# Altium PCB OSP_Carrier_V7_Release.PcbDoc (part 2 of 3) (continued)
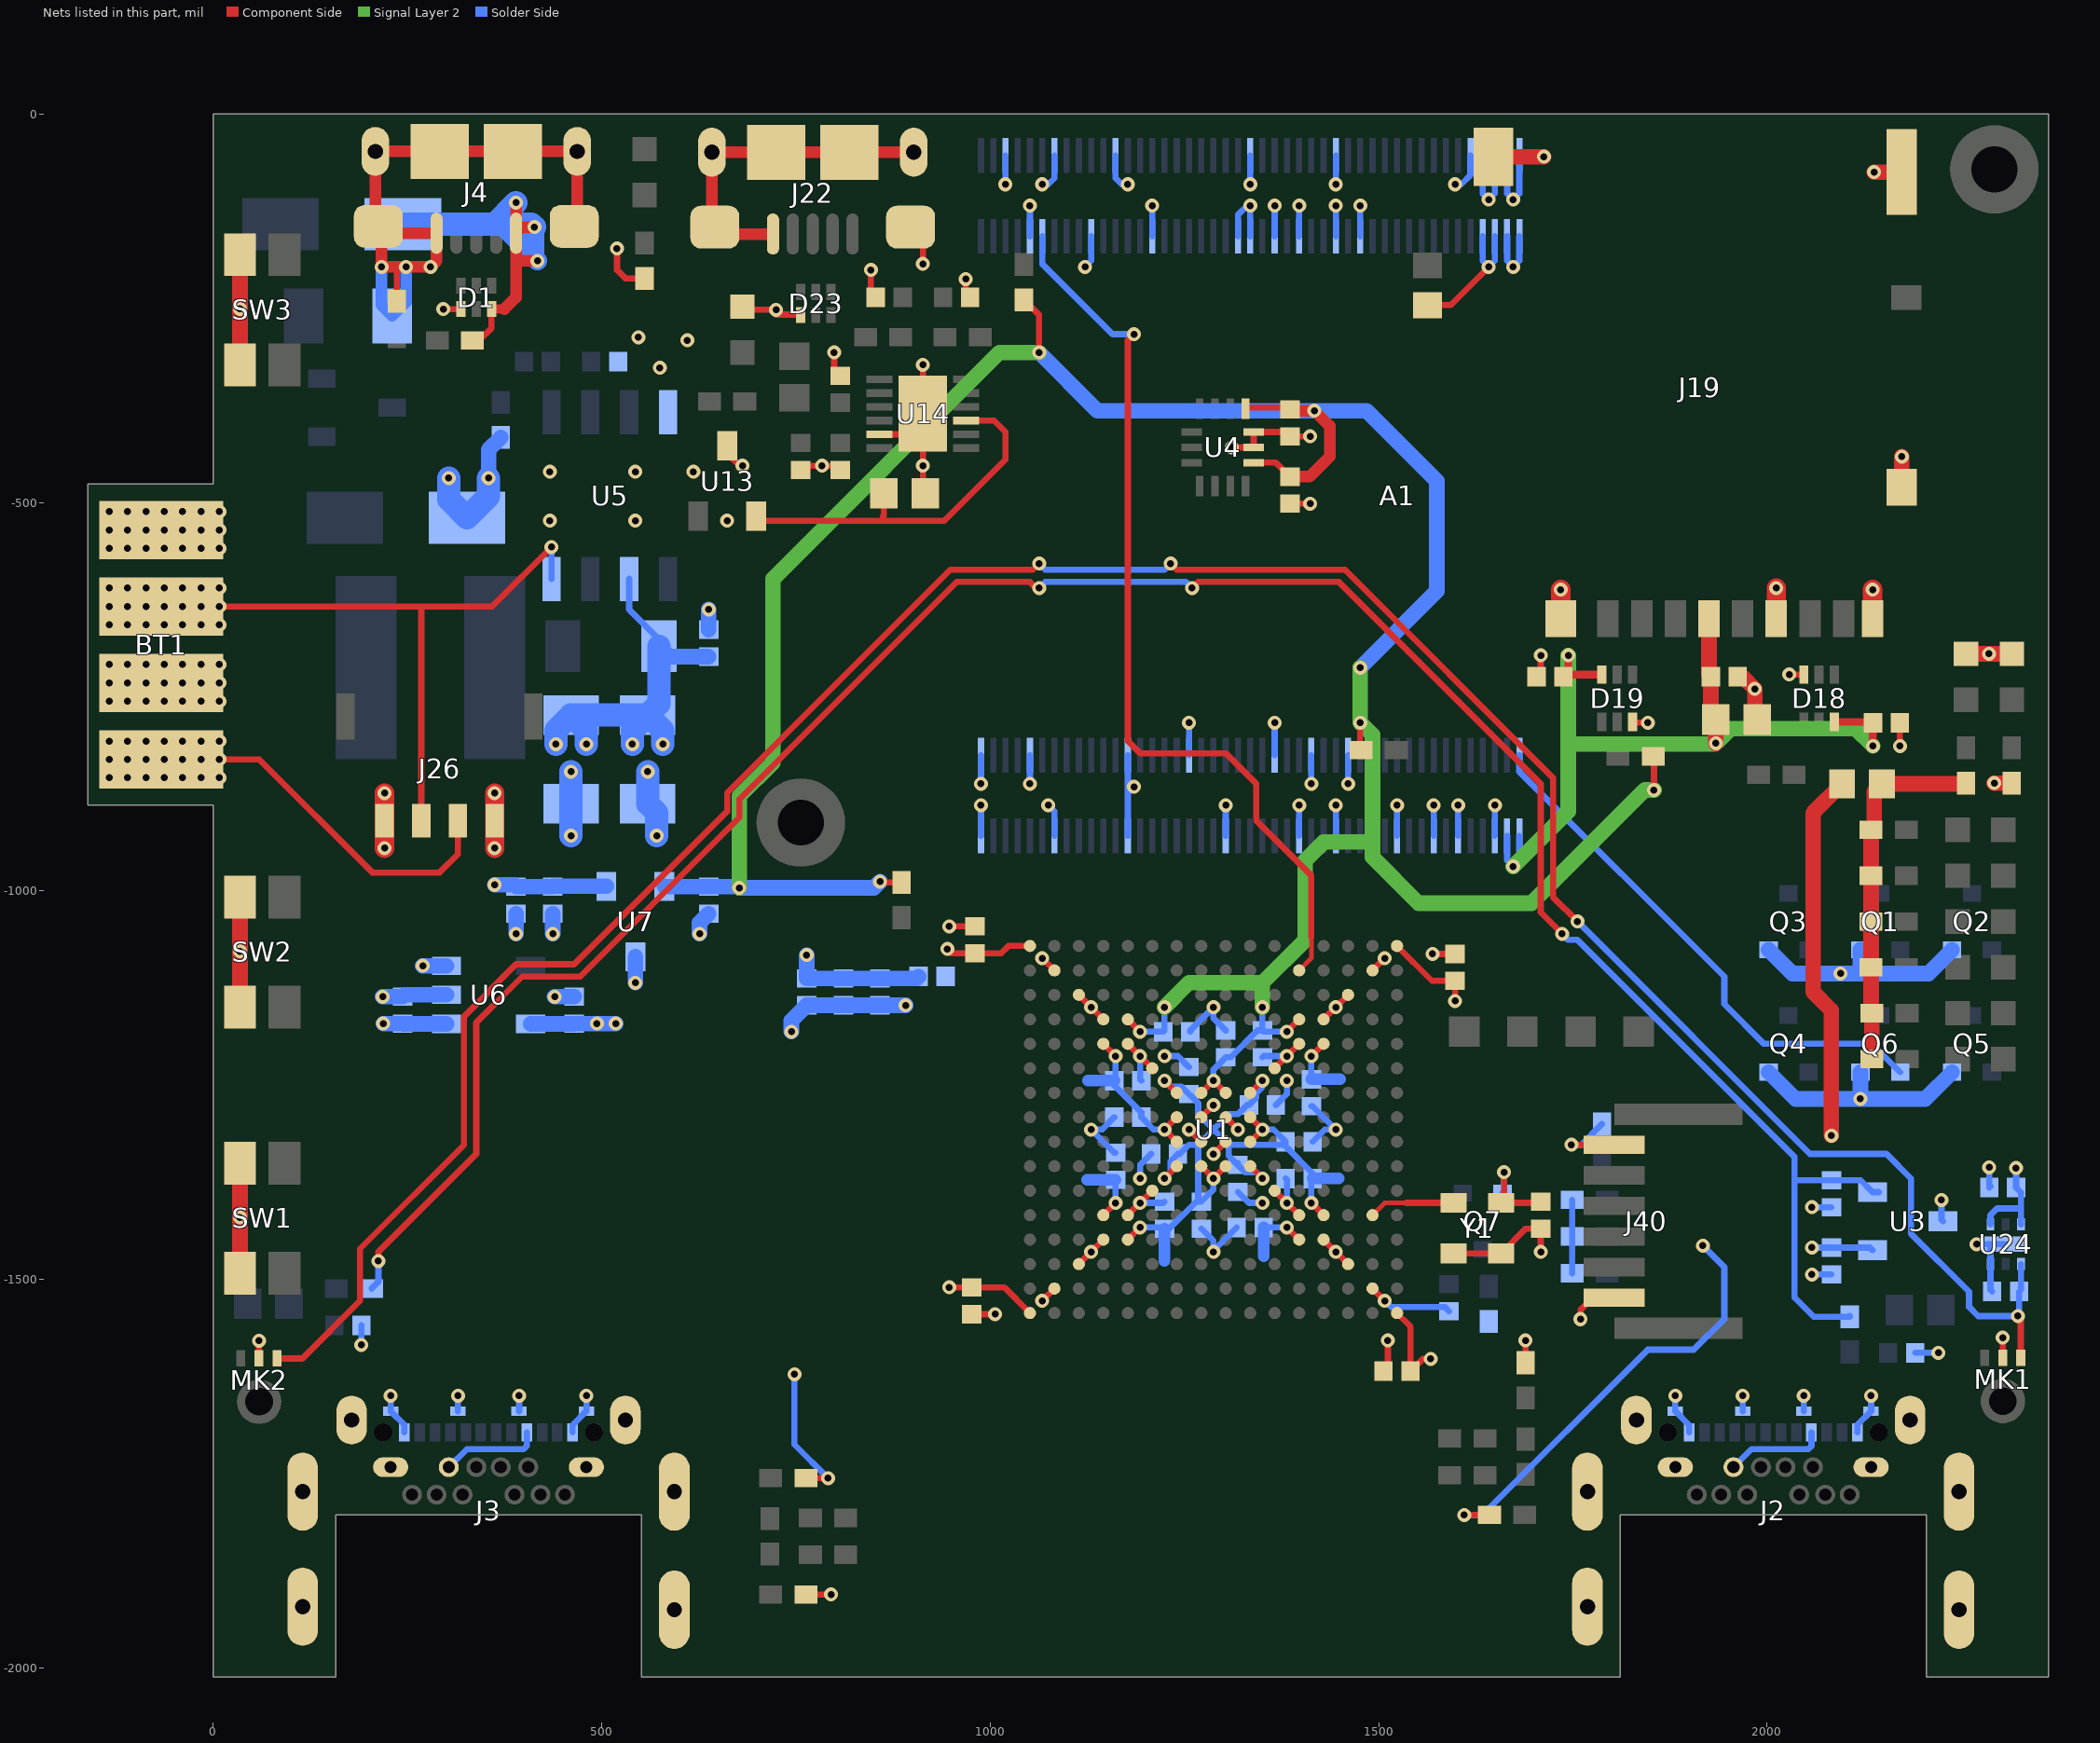
[diagram p4: the nets of this part, all layers, seen from the top]
## Part data (continued)
R49: library part ERJ-2RKF4700X, "RES SMD 470 OHM 1% 1/10W 0402", Device Package="0402 (1005 Metric)", Manufacturer="Panasonic Electronic Components", PowerRating="0.1W, 1/10W", Supplier Part Number 1=P470LTR-ND, TemperatureCoefficient=100ppm/C, TemperatureRange="-55C ~ 155C", Tolerance=1%, ComponentLink1Description=Datasheet, ComponentLink1URL=http://industrial.panasonic.com/www-cgi/jvcr13pz.cgi?E+PZ+3+AOA0002+ERJ2RKF4700X+7+WW, ComponentLink2Description="Digikey listing", ComponentLink2URL=http://digikey.com/product-detail/en/ERJ-2RKF4700X/P470LTR-ND/1746229, PartId=176, Part Number=ERJ-2RKF4700X, Price=0.0043, Supplier 1=Digi-Key, Type="Thick Film"
R54 R55: library part ERJ-2RKF33R0X, "RES SMD 33 OHM 1% 1/10W 0402", Device Package="0402 (1005 Metric)", Manufacturer="Panasonic Electronic Components", PowerRating="0.1W, 1/10W", Supplier Part Number 1=P33.0LTR-ND, TemperatureCoefficient=100ppm/C, TemperatureRange="-55C ~ 155C", Tolerance=1%, ComponentLink1Description=Datasheet, ComponentLink1URL=http://industrial.panasonic.com/www-cgi/jvcr13pz.cgi?E+PZ+3+AOA0002+ERJ2RKF33R0X+7+WW, ComponentLink2Description="Digikey listing", ComponentLink2URL=http://digikey.com/product-detail/en/ERJ-2RKF33R0X/P33.0LTR-ND/1746198, PartId=21, Part Number=ERJ-2RKF33R0X, Price=0.0043, Supplier 1=Digi-Key, Type="Thick Film"
SW1 SW2 SW3: library part PANASONIC_EVQ-P7A01P, "Tact Switch SMT Right Angle"
TP1 TP2 TP3 TP4: "1mm Square SMD Test Point", DNP=DNP
U1: library part LCMXO3LF-6900C-XBG256X, "Lattice MachXO3LF-6900C-5BG256C FPGA"
U3 U7 U13: "IC REG LDO 1.8V 0.15A SOT23-3", Current - Limit (Min)=200mA, Device Package="TO-236-3, SC-59, SOT-23-3", Manufacturer="Diodes Incorporated", Operating Temperature="-40C ~ 85C", Supplier Part Number 1=AP7313-18SAG-7DITR-ND, Voltage - Input="2 V ~ 6 V", Voltage - Output=1.8V, Voltage Dropout=-, ComponentLink1Description=Datasheet, ComponentLink1URL=http://www.diodes.com/_files/datasheets/AP7313.pdf, ComponentLink2Description="Digi-Key Listing", ComponentLink2URL=http://www.digikey.ca/product-detail/en/AP7313-18SAG-7/AP7313-18SAG-7DITR-ND/2270804, PartId=7912, Part Number=AP7313-18SAG-7, Price=0.1675, Supplier 1=Digi-Key, Topology="Positive Fixed"
U4: library part BOSCH_BMI160, "BMI160 2.5 x 3 mm Tiaxial Accelerometer / Gyroscope Inertial Measurement Unit"
U5: "Analog / Linear 1.5A Single Cell Li-Ion Battery Charger"
U6: library part ROHM_BU33SD5WG, "ROHM BU33SD5WG-TR 3.3V 500mA LDO", CURRENT=500mA, Voltage=3.3V
U14: library part FTDI_FT234XD, "FTDI FT234XD USB to UART"
U24: library part Microchip_MIC5512-1.2YMT, "Microchip MIC5512-1.2YMT 1.2V 300mA linear regulator"
Y1: library part MC_DSC1033DI2-012.2880, "Microchip 12.288 MHz SMD MEMS Oscillator", DIGIKEY_PN=DSC1033DI2-012.2880-ND

## Via types
v1: diameter 18, hole 9, Component Side to Solder Side, tented both sides, 392 vias

## Nets (pads, with @x,y where several pads share a name; then routed paths per layer and width w, separated by ;. In a path a pad name is that pad's centre, name@x,y a point inside that pad or via, vN(x,y) a via of type N, cw(c..) or ccw(c..) an arc to the next point about the centre after c; other vN are vias at no path point)
1V8_UART: C70.2 U13.3 U14.9 | length 478
  Component Side w8: U13.3@698.82,-517.72 704.72,-523.62 940.94,-523.62 1019.68,-444.88 1019.68,-409.45 1004.92,-394.68 U14.9@969.09,-394.68 ; 862.2,-517.72 863.19,-516.73 C70.2@863.19,-488.19
+1V2: C111.1 MK1.1 MK2.1 U24.4 | length 3488.9
  Component Side w8: MK2.1@82.09,-1601.77 114.76,-1601.77 188.98,-1527.56 188.98,-1460.63 322.83,-1326.77 322.83,-1161.42 389.76,-1094.49 464.57,-1094.49 661.42,-897.64 661.42,-874.02 948.82,-586.61 1055.12,-586.61 v1(1062.99,-578.74) ; v1(1232.28,-578.74) 1240.16,-586.61 1456.69,-586.61 1724.41,-854.33 1724.41,-1007.87 v1(1755.91,-1039.37) ; v1(2322.83,-1547.24) 2326.48,-1550.88 MK1.1@2326.48,-1600.98
  Solder Side w8: v1(1062.99,-578.74) 1070.87,-586.61 1224.41,-586.61 v1(1232.28,-578.74) ; v1(1755.91,-1039.37) 2055.12,-1338.58 2153.54,-1338.58 2185.04,-1370.08 2185.04,-1440.94 2259.84,-1515.75 2259.84,-1535.43 2271.65,-1547.24 v1(2322.83,-1547.24) 2324.41,-1545.67 C111.1@2324.41,-1515.75 2326.77,-1513.39 U24.4@2326.77,-1480.31
+1V8_IO: C12.2 C18.1 C21.1 C23.1 C39.1 C62.1 R28.2 R31.2 R44.2 R47.2 U1.K8 U1.K9 U1.N5 U1.N12 U4.5 U4.8 U7.3 | length 3945.4
  Component Side w8: v1(858.27,-988.19) 854.33,-988.19 853.35,-989.17 R44.2@885.83,-989.17 ; R28.2@1043.31,-239.17 1062.99,-258.86 v1(1062.99,-307.09) ; U1.N12@1177.17,-1165.35 v1(1192.91,-1181.1) ; U1.K9@1271.65,-1259.84 v1(1287.4,-1244.09) U1.K8@1303.15,-1259.84 ; U4.8@1328.74,-379.43 1330.22,-377.95 1383.46,-377.95 C18.1@1385.83,-380.32 C18.1@1387.4,-381.89 ; U4.5@1339.07,-448.82 1367.72,-448.82 C39.1@1385.83,-466.93 ; v1(1381.89,-1181.1) U1.N5@1397.64,-1165.35 ; v1(1476.38,-783.46) 1476.38,-817.91 R31.2@1477.36,-818.9 ; R47.2@1853.35,-826.77 1854.33,-827.76 v1(1854.33,-870.08)
  Component Side w15: C39.1@1385.83,-466.93 1411.02,-466.93 1437.01,-440.94 1437.01,-401.57 v1(1417.32,-381.89) C18.1@1387.4,-381.89
  Signal Layer 2 w20: v1(677.17,-996.06) 677.17,-877.95 720.47,-834.65 720.47,-598.43 1011.81,-307.09 v1(1062.99,-307.09) ; v1(1224.41,-1149.61) 1255.91,-1118.11 1350.39,-1118.11 ; v1(1350.39,-1149.61) 1350.39,-1118.11 ; v1(1476.38,-712.6) v1(1476.38,-783.46) 1492.13,-799.21 1492.13,-937.01 ; v1(1854.33,-870.08) 1842.52,-870.08 1696.85,-1015.75 1551.18,-1015.75 1492.13,-956.69 1492.13,-937.01 ; 1350.39,-1118.11 1405.51,-1062.99 1405.51,-960.63 1429.13,-937.01 1492.13,-937.01
  Solder Side w8: v1(1192.91,-1181.1) C21.1@1222.83,-1181.1 1224.41,-1179.53 v1(1224.41,-1149.61) ; v1(1287.4,-1244.09) 1287.4,-1229.92 C12.2@1303.15,-1214.17 1309.45,-1214.17 1344.09,-1179.53 C23.1@1350.39,-1179.53 ; v1(1350.39,-1149.61) C23.1@1350.39,-1179.53 ; v1(1381.89,-1181.1) 1351.97,-1181.1 C23.1@1350.39,-1179.53
  Solder Side w20: U7.3@580.72,-994.08 581.13,-994.49 C62.1@637.8,-994.49 675.59,-994.49 v1(677.17,-996.06) 850.39,-996.06 v1(858.27,-988.19) ; v1(1062.99,-307.09) 1137.8,-381.89 v1(1417.32,-381.89) 1484.25,-381.89 1574.8,-472.44 1574.8,-614.17 v1(1476.38,-712.6)
+1V8_MIC: C44.1 R40.2 R41.2 U3.3 | length 3138.8
  Component Side w8: v1(212.6,-1476.38) 212.6,-1464.57 338.58,-1338.58 338.58,-1169.29 397.64,-1110.24 472.44,-1110.24 677.17,-905.51 677.17,-881.89 956.69,-602.36 1051.18,-602.36 1059.06,-610.24 v1(1062.99,-610.24) ; v1(1259.84,-610.24) 1267.72,-602.36 1448.82,-602.36 1708.66,-862.2 1708.66,-1027.56 v1(1736.22,-1055.12)
  Solder Side w8: R40.2@203.74,-1511.81 212.6,-1502.95 v1(212.6,-1476.38) ; v1(1062.99,-610.24) 1070.87,-602.36 1251.97,-602.36 v1(1259.84,-610.24) ; v1(1736.22,-1055.12) 1744.09,-1062.99 1755.91,-1062.99 2035.43,-1342.52 2035.43,-1374.02 ; R41.2@2106.3,-1547.24 R41.2@2106.3,-1548.23 2060.04,-1548.23 2035.43,-1523.62 2035.43,-1374.02 ; U3.3@2143.7,-1387.8 U3.3@2135.83,-1387.8 2120.47,-1372.44 C44.1@2082.68,-1372.44 2037.01,-1372.44 2035.43,-1374.02
+3V3: C1.2 C2.1 C3.2 C55.1 FB1.1 R5.1 R12.2 R18.2 U6.5 | length 1065.2
  Component Side w8: R18.2@762.8,-1755.91 v1(791.34,-1755.91) ; v1(1610.24,-1803.15) R12.2@1642.72,-1803.15
  Component Side w20: v1(2292.32,-861.22) R5.1@2314.96,-861.22
  Solder Side w8: v1(748.03,-1622.05) 748.03,-1712.6 v1(791.34,-1755.91) ; v1(1610.24,-1803.15) 1633.86,-1803.15 1846.46,-1590.55 1905.51,-1590.55 1944.88,-1551.18 1944.88,-1484.25 v1(1917.32,-1456.69)
  Solder Side w20: U6.5@408.45,-1171.24 464.19,-1171.24 C55.1@464.57,-1170.87 v1(493.7,-1170.87) v1(518.11,-1170.87) ; v1(763.78,-1082.68) C1.2@763.78,-1112.6 C2.1@811.02,-1112.6 C3.2@858.27,-1112.6 905.51,-1112.6 FB1.1@907.87,-1110.24
+3V3_F: C4.2 C5.2 C6.2 C7.2 C8.2 C9.2 C10.2 C11.2 C13.2 C15.2 C16.2 C17.2 C19.2 C20.2 C22.1 C25.1 C26.1 C28.1 FB1.2 J40.1 R3.2 R4.2 R7.2 R10.2 U1.A1 U1.A16 U1.D5 U1.D12 U1.E4 U1.E13 U1.G7 U1.G8 U1.G9 U1.G10 U1.H7 U1.H10 U1.J7 U1.J10 U1.K7 U1.K10 U1.M4 U1.M13 U1.T1 U1.T16 Y1.1 Y1.4 | length 2380.5
  Component Side w8: v1(944.88,-1074.8) 950.39,-1080.31 C4.2@980.31,-1080.31 1014.17,-1080.31 1023.62,-1070.87 U1.T16@1051.18,-1070.87 ; v1(947.24,-1510.24) C9.2@976.38,-1510.24 1018.11,-1510.24 U1.A16@1051.18,-1543.31 ; U1.E13@1145.67,-1417.32 v1(1161.42,-1401.57) ; U1.M13@1145.67,-1196.85 v1(1161.42,-1212.6) ; U1.D12@1177.17,-1448.82 v1(1192.91,-1433.07) ; v1(1224.41,-1370.08) U1.G10@1240.16,-1354.33 ; v1(1224.41,-1244.09) U1.K10@1240.16,-1259.84 ; U1.H10@1240.16,-1322.83 v1(1224.41,-1307.09) U1.J10@1240.16,-1291.34 ; U1.G9@1271.65,-1354.33 v1(1287.4,-1370.08) U1.G8@1303.15,-1354.33 ; U1.G7@1334.65,-1354.33 v1(1350.39,-1370.08) ; U1.H7@1334.65,-1322.83 v1(1350.39,-1307.09) U1.J7@1334.65,-1291.34 ; U1.K7@1334.65,-1259.84 v1(1350.39,-1244.09) ; v1(1381.89,-1433.07) U1.D5@1397.64,-1448.82 ; v1(1413.39,-1401.57) U1.E4@1429.13,-1417.32 ; v1(1413.39,-1212.6) U1.M4@1429.13,-1196.85 ; U1.A1@1523.62,-1543.31 1540.94,-1560.63 C5.2@1540.94,-1618.11 1556.69,-1602.36 v1(1566.93,-1602.36) ; U1.T1@1523.62,-1070.87 1568.5,-1115.75 C8.2@1598.43,-1115.75 v1(1598.43,-1141.73) ; Y1.4@1596.46,-1466.54 Y1.1@1657.48,-1466.54 1689.37,-1434.65 C17.2@1708.66,-1434.65 v1(1708.66,-1464.57) ; v1(1759.84,-1551.18) 1759.84,-1539.37 1775.59,-1523.62 J40.1@1803.15,-1523.62
  Solder Side w8: v1(1161.42,-1401.57) C28.1@1161.42,-1371.65 ; v1(1161.42,-1212.6) 1161.42,-1242.52 C26.1@1159.84,-1244.09 1159.84,-1250.39 1194.49,-1285.04 C16.2@1194.49,-1291.34 1210.24,-1307.09 v1(1224.41,-1307.09) ; v1(1192.91,-1433.07) 1222.83,-1433.07 C22.1@1224.41,-1434.65 1230.71,-1434.65 1265.35,-1400 C13.2@1271.65,-1400 ; v1(1224.41,-1370.08) 1232.28,-1362.2 1232.28,-1348.03 C7.2@1241.73,-1338.58 1244.09,-1338.58 1255.91,-1326.77 1267.72,-1326.77 ; v1(1224.41,-1244.09) 1232.28,-1251.97 1246.46,-1251.97 1267.72,-1273.23 1267.72,-1287.4 1287.4,-1307.09 ; v1(1287.4,-1370.08) 1287.4,-1384.25 C13.2@1271.65,-1400 ; C11.2@1318.9,-1350.39 C11.2@1318.9,-1352.76 ; v1(1350.39,-1370.08) 1342.52,-1362.2 1328.35,-1362.2 C11.2@1318.9,-1352.76 ; v1(1350.39,-1307.09) 1364.57,-1307.09 C20.2@1380.31,-1322.83 ; v1(1350.39,-1244.09) 1350.39,-1251.97 1342.52,-1259.84 1342.52,-1266.14 C6.2@1333.07,-1275.59 1330.71,-1275.59 1318.9,-1287.4 1307.09,-1287.4 1287.4,-1307.09 ; C25.1@1351.97,-1433.07 v1(1381.89,-1433.07) ; v1(1413.39,-1401.57) 1413.39,-1371.65 C15.2@1414.96,-1370.08 1414.96,-1363.78 C20.2@1380.31,-1329.13 ; C19.2@1413.39,-1242.52 v1(1413.39,-1212.6) ; R4.2@1749.02,-1492.13 R7.2@1749.02,-1444.79 R10.2@1749.02,-1397.64 ; 1267.72,-1326.77 1287.4,-1307.09 ; 1267.72,-1326.77 1267.72,-1396.06 C13.2@1271.65,-1400 ; 1287.4,-1307.09 1307.09,-1326.77 ; 1307.09,-1326.77 1307.09,-1340.94 C11.2@1318.9,-1352.76 ; 1307.09,-1326.77 1376.38,-1326.77 C20.2@1380.31,-1322.83 ; C20.2@1380.31,-1329.13 C20.2@1380.31,-1322.83 ; C20.2@1380.31,-1329.13 C20.2@1380.31,-1322.83
  Solder Side w15: 1124.41,-1371.65 C28.1@1161.42,-1371.65 ; 1125.98,-1244.09 C26.1@1159.84,-1244.09 ; 1224.41,-1476.38 C22.1@1224.41,-1434.65 ; 1351.97,-1470.08 C25.1@1351.97,-1433.07 ; C19.2@1413.39,-1242.52 1450.39,-1242.52 ; C15.2@1414.96,-1370.08 1448.82,-1370.08
+3V7: A1.1 A1.2 A1.3 A1.4 A1.5 A1.6 A1.7 A1.8 BT1.1 C43.1 C50.1 C51.1 C52.1 C54.1 C60.2 C61.2 C110.1 J2.A4 J2.B4 J3.A4 J3.B4 J26.1 R1.2 R6.2 R8.1 R43.2 U3.1 U5.6 U6.1 U6.3 U7.1 U24.1 U24.3 | length 2406.2
  Component Side w8: v1(519.68,-173.23) 519.68,-200.79 530.51,-211.61 R1.2@555.12,-211.61 R1.2@562.99,-211.61 ; R6.2@1562.99,-246.06 1592.52,-246.06 v1(1641.73,-196.85)
  Component Side w20: v1(2082.68,-1314.96) 2082.68,-1153.54 2059.06,-1129.92 2059.06,-899.61 R43.2@2096.46,-862.2
  Component Side w25: v1(362.2,-944.88) J26.1@362.2,-909.45 v1(362.2,-874.02)
  Solder Side w8: J3.B4@303.15,-1741.73 326.38,-1718.5 399.57,-1718.5 403.54,-1714.53 J3.A4@403.54,-1696.85 ; U5.6@535.43,-598.43 535.43,-637.8 573.82,-676.18 R8.1@573.82,-685.04 ; A1.7@1633.86,-157.48 1633.86,-188.98 v1(1641.73,-196.85) 1649.61,-188.98 A1.5@1649.61,-157.48 ; A1.8@1633.86,-53.54 1633.86,-102.36 v1(1641.73,-110.24) 1649.61,-102.36 A1.6@1649.61,-53.54 ; A1.3@1665.35,-157.48 1665.35,-188.98 v1(1673.23,-196.85) 1681.1,-188.98 A1.1@1681.1,-157.48 ; A1.4@1665.35,-53.54 1665.35,-102.36 v1(1673.23,-110.24) 1681.1,-102.36 A1.2@1681.1,-53.54 ; J2.B4@1956.69,-1741.73 1979.92,-1718.5 2053.11,-1718.5 2057.09,-1714.53 J2.A4@2057.09,-1696.85 ; v1(2057.48,-1459.06) C43.1@2082.68,-1459.06 2132.28,-1459.06 U3.1@2135.83,-1462.6 ; U24.1@2287.4,-1429.13 2287.4,-1417.32 2296.06,-1408.66 2326.77,-1408.66 ; v1(2320.47,-1356.69) C110.1@2320.47,-1381.89 2326.77,-1388.19 2326.77,-1408.66 ; U24.3@2326.77,-1429.13 2326.77,-1408.66
  Solder Side w20: v1(218.9,-1170.87) C54.1@244.09,-1170.87 244.47,-1171.24 U6.1@300.18,-1171.24 ; v1(269.67,-1096.44) U6.3@300.18,-1096.44 ; v1(362.2,-992.13) 387.4,-992.13 C60.2@389.76,-994.49 C61.2@437.01,-994.49 437.42,-994.08 U7.1@505.92,-994.08 ; R8.1@573.82,-685.04 587.2,-698.43 C50.1@637.8,-698.43
  Solder Side w30: v1(440.94,-811.02) 440.94,-793.31 C52.1@460.63,-773.62 ; v1(480.31,-811.02) 480.31,-793.31 C52.1@460.63,-773.62 ; v1(539.37,-811.02) 539.37,-793.31 C51.1@559.05,-773.62 ; R8.1@573.82,-685.04 573.82,-758.86 C51.1@559.05,-773.62 ; v1(578.74,-811.02) 578.74,-793.31 C51.1@559.05,-773.62 ; C52.1@460.63,-773.62 C51.1@559.05,-773.62
  other v1: -133.86,-559.06 -110.24,-559.06 -86.61,-559.06 -62.99,-559.06 -39.37,-559.06 -15.75,-559.06 7.87,-559.06 -133.86,-535.43 -110.24,-535.43 -86.61,-535.43 -62.99,-535.43 -39.37,-535.43 -15.75,-535.43 7.87,-535.43 -133.86,-511.81 -110.24,-511.81 -86.61,-511.81 -62.99,-511.81 -39.37,-511.81 -15.75,-511.81 7.87,-511.81
+3V7_LED: R2.1 R22.2 R23.2 R24.2 R25.2 R26.2 R27.2 R43.1 | length 477.5
  Component Side w8: R27.2@2137.8,-1158.46 R27.2@2138.78,-1157.48
  Component Side w20: R24.2@2128.94,-1044.29 R24.2@2133.86,-1039.37 ; R26.2@2134.84,-1216.54 R27.2@2134.84,-1157.48 2133.86,-1156.5 R25.2@2133.86,-1098.43 R24.2@2133.86,-1039.37 ; R2.1@2255.91,-861.22 2254.92,-862.2 R43.1@2147.64,-862.2 2137.8,-872.05 2137.8,-917.32 R22.2@2133.86,-921.26 R23.2@2133.86,-980.31 R24.2@2133.86,-1039.37
+5V_USB: D1.6 D2.1 J4.1 R30.2 | length 585.8
  Component Side w8: R30.2@333.66,-291.34 342.52,-291.34 358.27,-275.59 D1.6@358.27,-251.18
  Component Side w12: D1.6@358.27,-251.18 374.8,-251.18
  Component Side w15: 374.8,-251.18 389.76,-236.22 389.76,-188.98 ; v1(389.76,-114.17) J4.1@389.76,-153.54 ; v1(413.39,-145.67) 397.64,-145.67 J4.1@389.76,-153.54 ; v1(417.32,-188.98) 389.76,-188.98 ; 389.76,-188.98 J4.1@389.76,-153.54
  Solder Side w25: 370.08,-141.73 v1@413.39,-185.04 ; v1(413.39,-145.67) v1@413.39,-185.04 ; v1(417.32,-188.98) v1@413.39,-185.04
  Solder Side w30: D2.1@244.09,-141.73 362.2,-141.73 ; v1(389.76,-114.17) 362.2,-141.73 ; v1(413.39,-145.67) 409.45,-141.73 370.08,-141.73 362.2,-141.73
+V_SD: A1.101 A1.103 C56.2 C57.2 C58.2 C59.2 D18.6 D19.6 J19.4 | length 1116.5
  Component Side w10: C59.2@1737.8,-724.41 C59.2@1740.75,-721.46 ; v1(1744.09,-696.85) 1744.09,-718.11 C59.2@1740.75,-721.46 ; D19.6@1787.4,-721.46 C59.2@1740.75,-721.46 ; D18.6@2086.61,-782.48 2135.24,-782.48 C57.2@2136.22,-783.46 v1(2136.22,-813.39)
  Component Side w20: J19.4@1925.2,-649.61 1925.2,-722.05 C56.2@1927.56,-724.41 1927.56,-773.03 C58.2@1934.06,-779.53 v1(1934.06,-810.04)
  Signal Layer 2 w20: v1(1673.23,-968.5) 1744.09,-897.64 1744.09,-811.02 ; v1(1744.09,-696.85) 1744.09,-811.02 ; v1(2136.22,-813.39) 2114.17,-791.34 1952.76,-791.34 v1(1934.06,-810.04) 1933.07,-811.02 1744.09,-811.02
  Solder Side w8: A1.103@1665.35,-929.13 1665.35,-960.63 v1(1673.23,-968.5) 1681.1,-960.63 A1.101@1681.1,-929.13
BATT_ID: BT1.4 J26.2 | length 495.3
  Component Side w8: BT1.4@-66.93,-830.71 v1(-62.99,-830.71) v1(-39.37,-830.71) v1(-15.75,-830.71) v1(7.87,-830.71) 59.06,-830.71 204.72,-976.38 291.34,-976.38 314.96,-952.76 J26.2@314.96,-909.45
  other v1: -133.86,-854.33 -110.24,-854.33 -86.61,-854.33 -62.99,-854.33 -39.37,-854.33 -15.75,-854.33 7.87,-854.33 -133.86,-830.71 -110.24,-830.71 -86.61,-830.71 -133.86,-807.09 -110.24,-807.09 -86.61,-807.09 -62.99,-807.09 -39.37,-807.09 -15.75,-807.09 7.87,-807.09
BATT_NTC: BT1.2 J26.3 U5.8 | length 850.5
  Component Side w8: BT1.2@-66.93,-633.86 v1(-62.99,-633.86) v1(-39.37,-633.86) v1(-15.75,-633.86) v1(7.87,-633.86) 267.72,-633.86 ; J26.3@267.72,-909.45 267.72,-633.86 ; v1(435.43,-557.48) 359.05,-633.86 267.72,-633.86
  Solder Side w8: U5.8@435.43,-598.43 v1(435.43,-557.48)
  other v1: -133.86,-657.48 -110.24,-657.48 -86.61,-657.48 -62.99,-657.48 -39.37,-657.48 -15.75,-657.48 7.87,-657.48 -133.86,-633.86 -110.24,-633.86 -86.61,-633.86 -133.86,-610.24 -110.24,-610.24 -86.61,-610.24 -62.99,-610.24 -39.37,-610.24 -15.75,-610.24 7.87,-610.24
BT_LED_CTRL: A1.102 Q6.1 | length 692.4
  Solder Side w8: A1.102@1681.1,-825.2 1681.1,-846.46 1944.88,-1110.24 1944.88,-1145.67 1996.06,-1196.85 2134.84,-1196.85 Q6.1@2171.26,-1233.27
F_OSC: U1.E2 Y1.3 | length 110.9
  Component Side w6: U1.E2@1492.13,-1417.32 1507.87,-1401.57 1535.43,-1401.57
  Component Side w8: 1535.43,-1401.57 Y1.3@1596.46,-1401.57
GND: A1.10 A1.27 A1.31 A1.32 A1.37 A1.41 A1.45 A1.46 A1.47 A1.61 A1.68 A1.71 A1.78 A1.81 A1.86 A1.105 A1.111 A1.115 A1.121 A1.130 A1.131 A1.136 A1.137 A1.142 A1.149 A1.156 A1.165 A1.166 A1.177 A1.182 A1.189 A1.190 BT1.3 C1.1 C2.2 C3.1 C4.1 C5.1 C6.1 C7.1 C8.1 C9.1 C10.1 C11.1 C12.1 C13.1 C14.2 C15.1 C16.1 C17.1 C18.2 C19.1 C20.1 C21.2 C22.2 C23.2 C25.2 C26.2 C28.2 C39.2 C43.2 C44.2 C46.2 C47.1 C48.1 C50.2 C51.2 C52.2 C53.2 C54.2 C55.2 C56.1 C57.1 C58.1 C59.1 C60.1 C61.1 C62.2 C70.1 C71.1 C72.1 C73.1 C74.1 C75.1 C110.2 C111.2 D1.4 D3.1 D18.3 D19.3 D23.4 J2.A1 J2.A12 J2.B1 J2.B12 J2.S J3.A1 J3.A12 J3.B1 J3.B12 J3.S J4.5 J4.S J19.6 J19.9 J19.S J22.5 J22.S J26.4 J40.6 LD2.2 LD3.2 LD11.2 MK1.2 MK2.2 Q1.3 Q2.3 Q3.3 Q4.3 Q5.3 Q6.3 Q7.3 R9.2 R11.1 R17.1 R29.1 R35.1 SW1.2 SW2.2 SW3.2 U1.B2 U1.B15 U1.C3 U1.C14 U1.D4 U1.D13 U1.E5 U1.E12 U1.F6 U1.F11 U1.H8 U1.H9 U1.J8 U1.J9 U1.L6 U1.L11 U1.M5 U1.M12 U1.N4 U1.N13 U1.P3 U1.P14 U1.R2 U1.R15 U3.2 U4.6 U4.7 U5.4 U6.2 U7.2 U13.2 U14.5 U14.13 U24.0 U24.6 Y1.2 | length 8014.3
  Component Side w8: MK2.2@58.86,-1601.77 v1(58.86,-1578.94) ; R35.1@236.22,-241.14 236.22,-196.85 ; v1(296.06,-251.18) D1.4@318.9,-251.18 ; U13.2@661.42,-427.16 661.42,-425.2 662.4,-426.18 662.4,-437.99 677.17,-452.76 v1(681.1,-452.76) ; LD11.2@681.1,-248.03 685.04,-251.97 v1(724.41,-251.97) 724.41,-258.27 751.18,-258.27 D23.4@755.91,-262.99 ; J22.5@720.47,-173.23 J22.5@720.47,-154.53 ; C71.1@755.91,-458.27 761.42,-452.76 v1(783.46,-452.76) 801.57,-452.76 C72.1@807.09,-458.27 ; R29.1@762.8,-1905.51 v1(795.28,-1905.51) ; v1(799.21,-307.09) 799.21,-329.13 C73.1@807.09,-337.01 ; v1(846.46,-200.79) 846.46,-229.92 C74.1@852.76,-236.22 ; U14.5@857.68,-412.4 886.81,-412.4 U14.13@913.39,-385.83 ; J22.S@897.64,-145.67 913.39,-161.42 v1(913.39,-192.91) ; v1(913.39,-322.83) U14.13@913.39,-385.83 ; C70.1@916.34,-488.19 913.39,-485.24 v1(913.39,-452.76) U14.13@913.39,-385.83 ; v1(947.24,-1045.67) C4.1@980.31,-1045.67 ; v1(968.5,-212.6) 968.5,-230.71 C75.1@974.02,-236.22 ; C9.1@976.38,-1544.88 v1(1006.3,-1544.88) ; v1(1066.93,-1527.56) U1.B15@1082.68,-1511.81 ; v1(1066.93,-1086.61) U1.R15@1082.68,-1102.36 ; U1.C14@1114.17,-1480.31 v1(1129.92,-1464.57) U1.D13@1145.67,-1448.82 ; U1.P14@1114.17,-1133.86 v1(1129.92,-1149.61) U1.N13@1145.67,-1165.35 ; U1.E12@1177.17,-1417.32 v1(1192.91,-1401.57) U1.F11@1208.66,-1385.83 ; U1.M12@1177.17,-1196.85 v1(1192.91,-1212.6) U1.L11@1208.66,-1228.35 ; v1(1255.91,-1307.09) U1.H9@1271.65,-1322.83 ; U1.J9@1271.65,-1291.34 v1(1287.4,-1275.59) ; v1(1287.4,-1338.58) U1.H8@1303.15,-1322.83 ; U1.J8@1303.15,-1291.34 v1(1318.9,-1307.09) ; v1(1311.02,-429.13) U4.6@1339.07,-429.13 U4.7@1339.07,-409.45 1380.31,-409.45 C18.2@1385.83,-414.96 v1(1411.81,-414.96) ; U1.F6@1366.14,-1385.83 v1(1381.89,-1401.57) U1.E5@1397.64,-1417.32 ; U1.L6@1366.14,-1228.35 v1(1381.89,-1212.6) U1.M5@1397.64,-1196.85 ; C39.2@1385.83,-501.57 v1(1411.81,-501.57) ; U1.D4@1429.13,-1448.82 v1(1444.88,-1464.57) U1.C3@1460.63,-1480.31 ; U1.N4@1429.13,-1165.35 v1(1444.88,-1149.61) U1.P3@1460.63,-1133.86 ; U1.B2@1492.13,-1511.81 v1(1507.87,-1527.56) ; U1.R2@1492.13,-1102.36 v1(1507.87,-1086.61) ; C5.1@1506.3,-1618.11 1511.81,-1612.6 v1(1511.81,-1578.74) ; v1(1569.29,-1081.1) C8.1@1598.43,-1081.1 ; v1(1661.42,-1362.2) 1661.42,-1397.64 Y1.2@1657.48,-1401.57 1707.09,-1401.57 C17.1@1708.66,-1400 ; R17.1@1688.98,-1607.28 v1(1688.98,-1578.74) ; C59.1@1703.15,-724.41 1708.66,-718.9 v1(1708.66,-696.85) ; v1(1748.03,-1326.77) J40.6@1803.15,-1326.77 ; D19.3@1826.77,-782.48 1827.76,-783.46 v1(1846.46,-783.46) ; v1(2028.54,-721.46) D18.3@2047.24,-721.46 ; v1(2170.87,-813.39) C57.1@2170.87,-783.46 ; LD2.2@2255.91,-694.88 LD2.2@2263.78,-687.01 ; MK1.2@2303.25,-1600.98 v1(2303.25,-1574.9)
  Component Side w15: J4.S@464.57,-144.68 468.5,-140.75 J4.S@468.5,-48.23 J4.S@385.83,-48.23 J4.S@291.34,-48.23 J4.S@208.66,-48.23 208.66,-140.75 J4.S@212.6,-144.68 J4.S@216.54,-148.62 ; J22.5@720.47,-154.53 654.53,-154.53 J22.S@645.67,-145.67 641.73,-141.73 J22.S@641.73,-49.21 J22.S@724.41,-49.21 J22.S@818.9,-49.21 J22.S@901.57,-49.21 ; J4.S@216.54,-148.62 v1(216.54,-196.85) 236.22,-196.85 v1(248.03,-196.85) v1(279.53,-196.85) 287.4,-188.98 J4.5@287.4,-153.54 221.46,-153.54 J4.S@216.54,-148.62
  Component Side w20: SW1.2@34.45,-1492.13 v1(34.45,-1420.28) SW1.2@34.45,-1350.39 ; SW2.2@34.45,-1149.61 v1(34.45,-1077.76) SW2.2@34.45,-1007.87 ; SW3.2@34.45,-322.83 v1(34.45,-250.98) SW3.2@34.45,-181.1 ; J19.S@1647.64,-55.12 v1(1712.6,-55.12) ; C56.1@1962.2,-724.41 1968.5,-724.41 v1(1984.25,-740.16) 1984.25,-776.57 C58.1@1987.2,-779.53 ; v1(2137.8,-74.8) J19.S@2173.23,-74.8 ; J19.S@2173.23,-480.31 v1(2173.23,-440.94) ; LD2.2@2255.91,-694.88 v1(2285.43,-694.88) LD3.2@2314.96,-694.88
  Component Side w25: v1(220.47,-944.88) J26.4@220.47,-909.45 v1(220.47,-874.02) ; J19.S@1734.25,-649.61 v1(1734.25,-612.2) ; J19.6@2011.81,-649.61 v1(2011.81,-610.24) ; J19.9@2135.83,-649.61 v1(2135.83,-612.2)
  Solder Side w8: v1(190.55,-1584.25) C47.1@190.55,-1559.06 ; v1(228.35,-1649.61) J3.S@228.35,-1669.69 246.06,-1687.4 J3.A12@246.06,-1696.85 ; J3.S@314.96,-1669.69 v1(314.96,-1649.61) ; J3.S@393.7,-1669.69 v1(393.7,-1649.61) ; J3.A1@462.6,-1696.85 462.6,-1687.4 J3.S@480.31,-1669.69 v1(480.31,-1649.61) ; A1.189@988.19,-929.13 v1(988.19,-889.76) ; v1(988.19,-862.2) A1.190@988.19,-825.2 ; v1(1019.68,-90.55) A1.86@1019.69,-53.54 ; v1(1051.18,-862.2) A1.182@1051.18,-825.2 ; A1.81@1051.18,-157.48 v1(1051.18,-118.11) ; v1(1066.93,-90.55) 1074.8,-90.55 1082.68,-82.68 A1.78@1082.68,-53.54 ; v1(1074.8,-889.76) 1082.68,-897.64 A1.177@1082.68,-929.13 ; v1(1122.05,-196.85) 1129.92,-188.98 A1.71@1129.92,-157.48 ; C16.1@1159.84,-1291.34 1144.09,-1307.09 v1(1129.92,-1307.09) 1159.84,-1337.01 C28.2@1161.42,-1337.01 ; A1.68@1161.42,-53.54 1161.42,-82.68 1169.29,-90.55 v1(1177.17,-90.55) ; A1.165@1177.17,-929.13 1177.17,-874.02 ; A1.166@1177.17,-825.2 1177.17,-858.27 ; v1(1192.91,-1401.57) 1222.83,-1401.57 C22.2@1224.41,-1400 ; v1(1192.91,-1370.08) 1192.91,-1352.76 C7.1@1207.09,-1338.58 ; v1(1192.91,-1212.6) 1192.91,-1242.52 C26.2@1194.49,-1244.09 ; A1.61@1208.66,-157.48 v1(1208.66,-118.11) ; v1(1224.41,-1212.6) 1241.73,-1212.6 C10.1@1255.91,-1226.77 ; A1.156@1255.91,-825.2 v1(1255.91,-783.46) ; C21.2@1257.48,-1181.1 1257.48,-1179.53 v1(1287.4,-1149.61) 1287.4,-1163.78 C12.1@1303.15,-1179.53 ; C13.1@1271.65,-1434.65 1287.4,-1450.39 v1@1287.4,-1462.99 ; v1(1287.4,-1464.57) v1@1287.4,-1462.99 ; A1.149@1303.15,-929.13 v1(1303.15,-889.76) ; C25.2@1317.32,-1433.07 v1@1287.4,-1462.99 ; C11.1@1318.9,-1387.4 1333.07,-1401.57 v1(1350.39,-1401.57) ; A1.47@1318.9,-157.48 1318.9,-129.92 1330.71,-118.11 v1(1334.65,-118.11) A1.45@1334.65,-157.48 ; v1(1334.65,-90.55) A1.46@1334.65,-53.54 ; C23.2@1350.39,-1214.17 1351.97,-1212.6 v1(1381.89,-1212.6) ; A1.142@1366.14,-825.2 v1(1366.14,-783.46) ; A1.41@1366.14,-157.48 v1(1366.14,-118.11) ; C6.1@1367.72,-1275.59 1381.89,-1261.42 v1(1381.89,-1244.09) ; C15.1@1380.31,-1370.08 1381.89,-1371.65 v1(1381.89,-1401.57) ; A1.137@1397.64,-929.13 v1(1397.64,-889.76) ; A1.37@1397.64,-157.48 v1(1397.64,-118.11) ; C19.1@1413.39,-1277.17 1414.96,-1277.17 v1(1444.88,-1307.09) 1430.71,-1307.09 C20.1@1414.96,-1322.83 ; v1(1413.39,-862.2) A1.136@1413.39,-825.2 ; A1.131@1444.88,-929.13 v1(1444.88,-889.76) ; A1.31@1444.88,-157.48 v1(1444.88,-118.11) ; v1(1444.88,-90.55) A1.32@1444.88,-53.54 ; v1(1460.63,-862.2) A1.130@1460.63,-825.2 ; A1.27@1476.38,-157.48 v1(1476.38,-118.11) ; v1(1507.87,-1527.56) 1515.75,-1535.43 1585.04,-1535.43 C14.2@1590.55,-1540.94 ; A1.121@1523.62,-929.13 v1(1523.62,-889.76) ; A1.115@1570.87,-929.13 v1(1570.87,-889.76) ; v1(1598.43,-90.55) 1606.3,-90.55 1618.11,-78.74 A1.10@1618.11,-53.54 ; A1.111@1602.36,-929.13 v1(1602.36,-889.76) ; A1.105@1649.61,-929.13 v1(1649.61,-889.76) ; Q7.3@1659.45,-1388.78 1661.42,-1386.81 v1(1661.42,-1362.2) ; v1(1748.03,-1326.77) 1760.83,-1326.77 R11.1@1787.4,-1300.2 ; v1(1881.89,-1649.61) J2.S@1881.89,-1669.69 1899.61,-1687.4 J2.A12@1899.61,-1696.85 ; J2.S@1968.5,-1669.69 v1(1968.5,-1649.61) ; J2.S@2047.24,-1669.69 v1(2047.24,-1649.61) ; v1(2057.48,-1493.7) C43.2@2082.68,-1493.7 ; v1(2057.48,-1407.09) C44.2@2082.68,-1407.09 ; J2.A1@2116.14,-1696.85 2116.14,-1687.4 J2.S@2133.86,-1669.69 v1(2133.86,-1649.61) ; C48.1@2190.55,-1594.49 v1(2220.47,-1594.49) ; v1(2224.41,-1397.64) 2224.41,-1423.23 U3.2@2226.38,-1425.2 ; v1(2269.68,-1454.72) U24.0@2307.09,-1454.72 ; v1(2285.83,-1355.91) C110.2@2285.83,-1381.89 C110.2@2287.4,-1380.31 ; U24.0@2287.4,-1456.69 U24.6@2287.4,-1480.31 2287.4,-1513.39 C111.2@2289.76,-1515.75 ; 1177.17,-874.02 v1@1177.17,-866.14 ; 1177.17,-874.02 v1(1185.04,-866.14) ; v1@1177.17,-866.14 1177.17,-858.27 ; v1@1177.17,-866.14 v1(1185.04,-866.14) ; 1177.17,-858.27 v1(1185.04,-866.14)
  Solder Side w15: v1(216.54,-196.85) 216.54,-246.06 C46.2@230.31,-259.84 248.03,-242.13 v1(248.03,-196.85)
  Solder Side w20: v1(218.11,-1136.22) C54.2@244.09,-1136.22 246.47,-1133.84 U6.2@300.18,-1133.84 ; v1(354.33,-468.5) 354.33,-432.09 R9.2@370.08,-416.34 ; v1(389.76,-1055.12) C60.1@389.76,-1029.13 ; v1(437.01,-1055.12) C61.1@437.01,-1029.13 ; v1(439.37,-1136.22) C55.2@464.57,-1136.22 ; v1(543.32,-1118.1) U7.2@543.32,-1084.63 ; v1(625.98,-1055.12) 625.98,-1040.94 C62.2@637.8,-1029.13 ; C50.2@637.8,-663.78 v1(637.8,-637.8) ; v1(744.09,-1181.1) 744.09,-1166.93 C1.1@763.78,-1147.24 C2.2@811.02,-1147.24 C3.1@858.27,-1147.24 v1(891.34,-1147.24) ; Q4.3@2001.97,-1233.27 2036.42,-1267.72 v1(2120.08,-1267.72) ; Q3.3@2001.97,-1075.79 2032.48,-1106.3 v1(2094.49,-1106.3) 2122.05,-1106.3 ; Q6.3@2120.08,-1233.27 v1(2120.08,-1267.72) ; Q1.3@2120.08,-1075.79 2120.08,-1104.33 2122.05,-1106.3 ; Q5.3@2238.19,-1233.27 2203.74,-1267.72 v1(2120.08,-1267.72) ; Q2.3@2238.19,-1075.79 2207.68,-1106.3 2122.05,-1106.3
  Solder Side w30: v1(303.15,-468.5) 303.15,-496.06 D3.1@326.77,-519.69 354.33,-492.13 v1(354.33,-468.5) ; v1(460.63,-929.13) C52.2@460.63,-887.8 v1(460.63,-846.46) ; v1(559.06,-846.46) C51.2@559.05,-887.8 570.87,-899.61 v1(570.87,-929.13)
  other v1: -133.86,-755.91 -110.24,-755.91 -86.61,-755.91 -62.99,-755.91 -39.37,-755.91 -15.75,-755.91 7.87,-755.91 -133.86,-732.28 -110.24,-732.28 -86.61,-732.28 -62.99,-732.28 -39.37,-732.28 -15.75,-732.28 7.87,-732.28 -133.86,-708.66 -110.24,-708.66 -86.61,-708.66 -62.99,-708.66 -39.37,-708.66 -15.75,-708.66 7.87,-708.66 433.07,-523.62 543.31,-523.62 661.42,-523.62 433.07,-460.63 543.31,-460.63 618.11,-460.63 574.8,-326.77 610.24,-291.34 547.24,-287.4
GPIO7: A1.79 U1.R5 | length 1182.2
  Component Side w6: U1.R5@1397.64,-1102.36 1413.39,-1086.61 1413.39,-1059.06
  Component Side w8: v1(1185.04,-283.46) 1177.17,-291.34 1177.17,-807.09 1192.91,-822.83 1303.15,-822.83 1342.52,-862.2 1342.52,-909.45 1413.39,-980.32 1413.39,-1059.06
  Solder Side w8: A1.79@1066.93,-157.48 1066.93,-192.91 1157.48,-283.46 v1(1185.04,-283.46)